# KiCad board mtk64_R_rev2.kicad_pcb (continued)
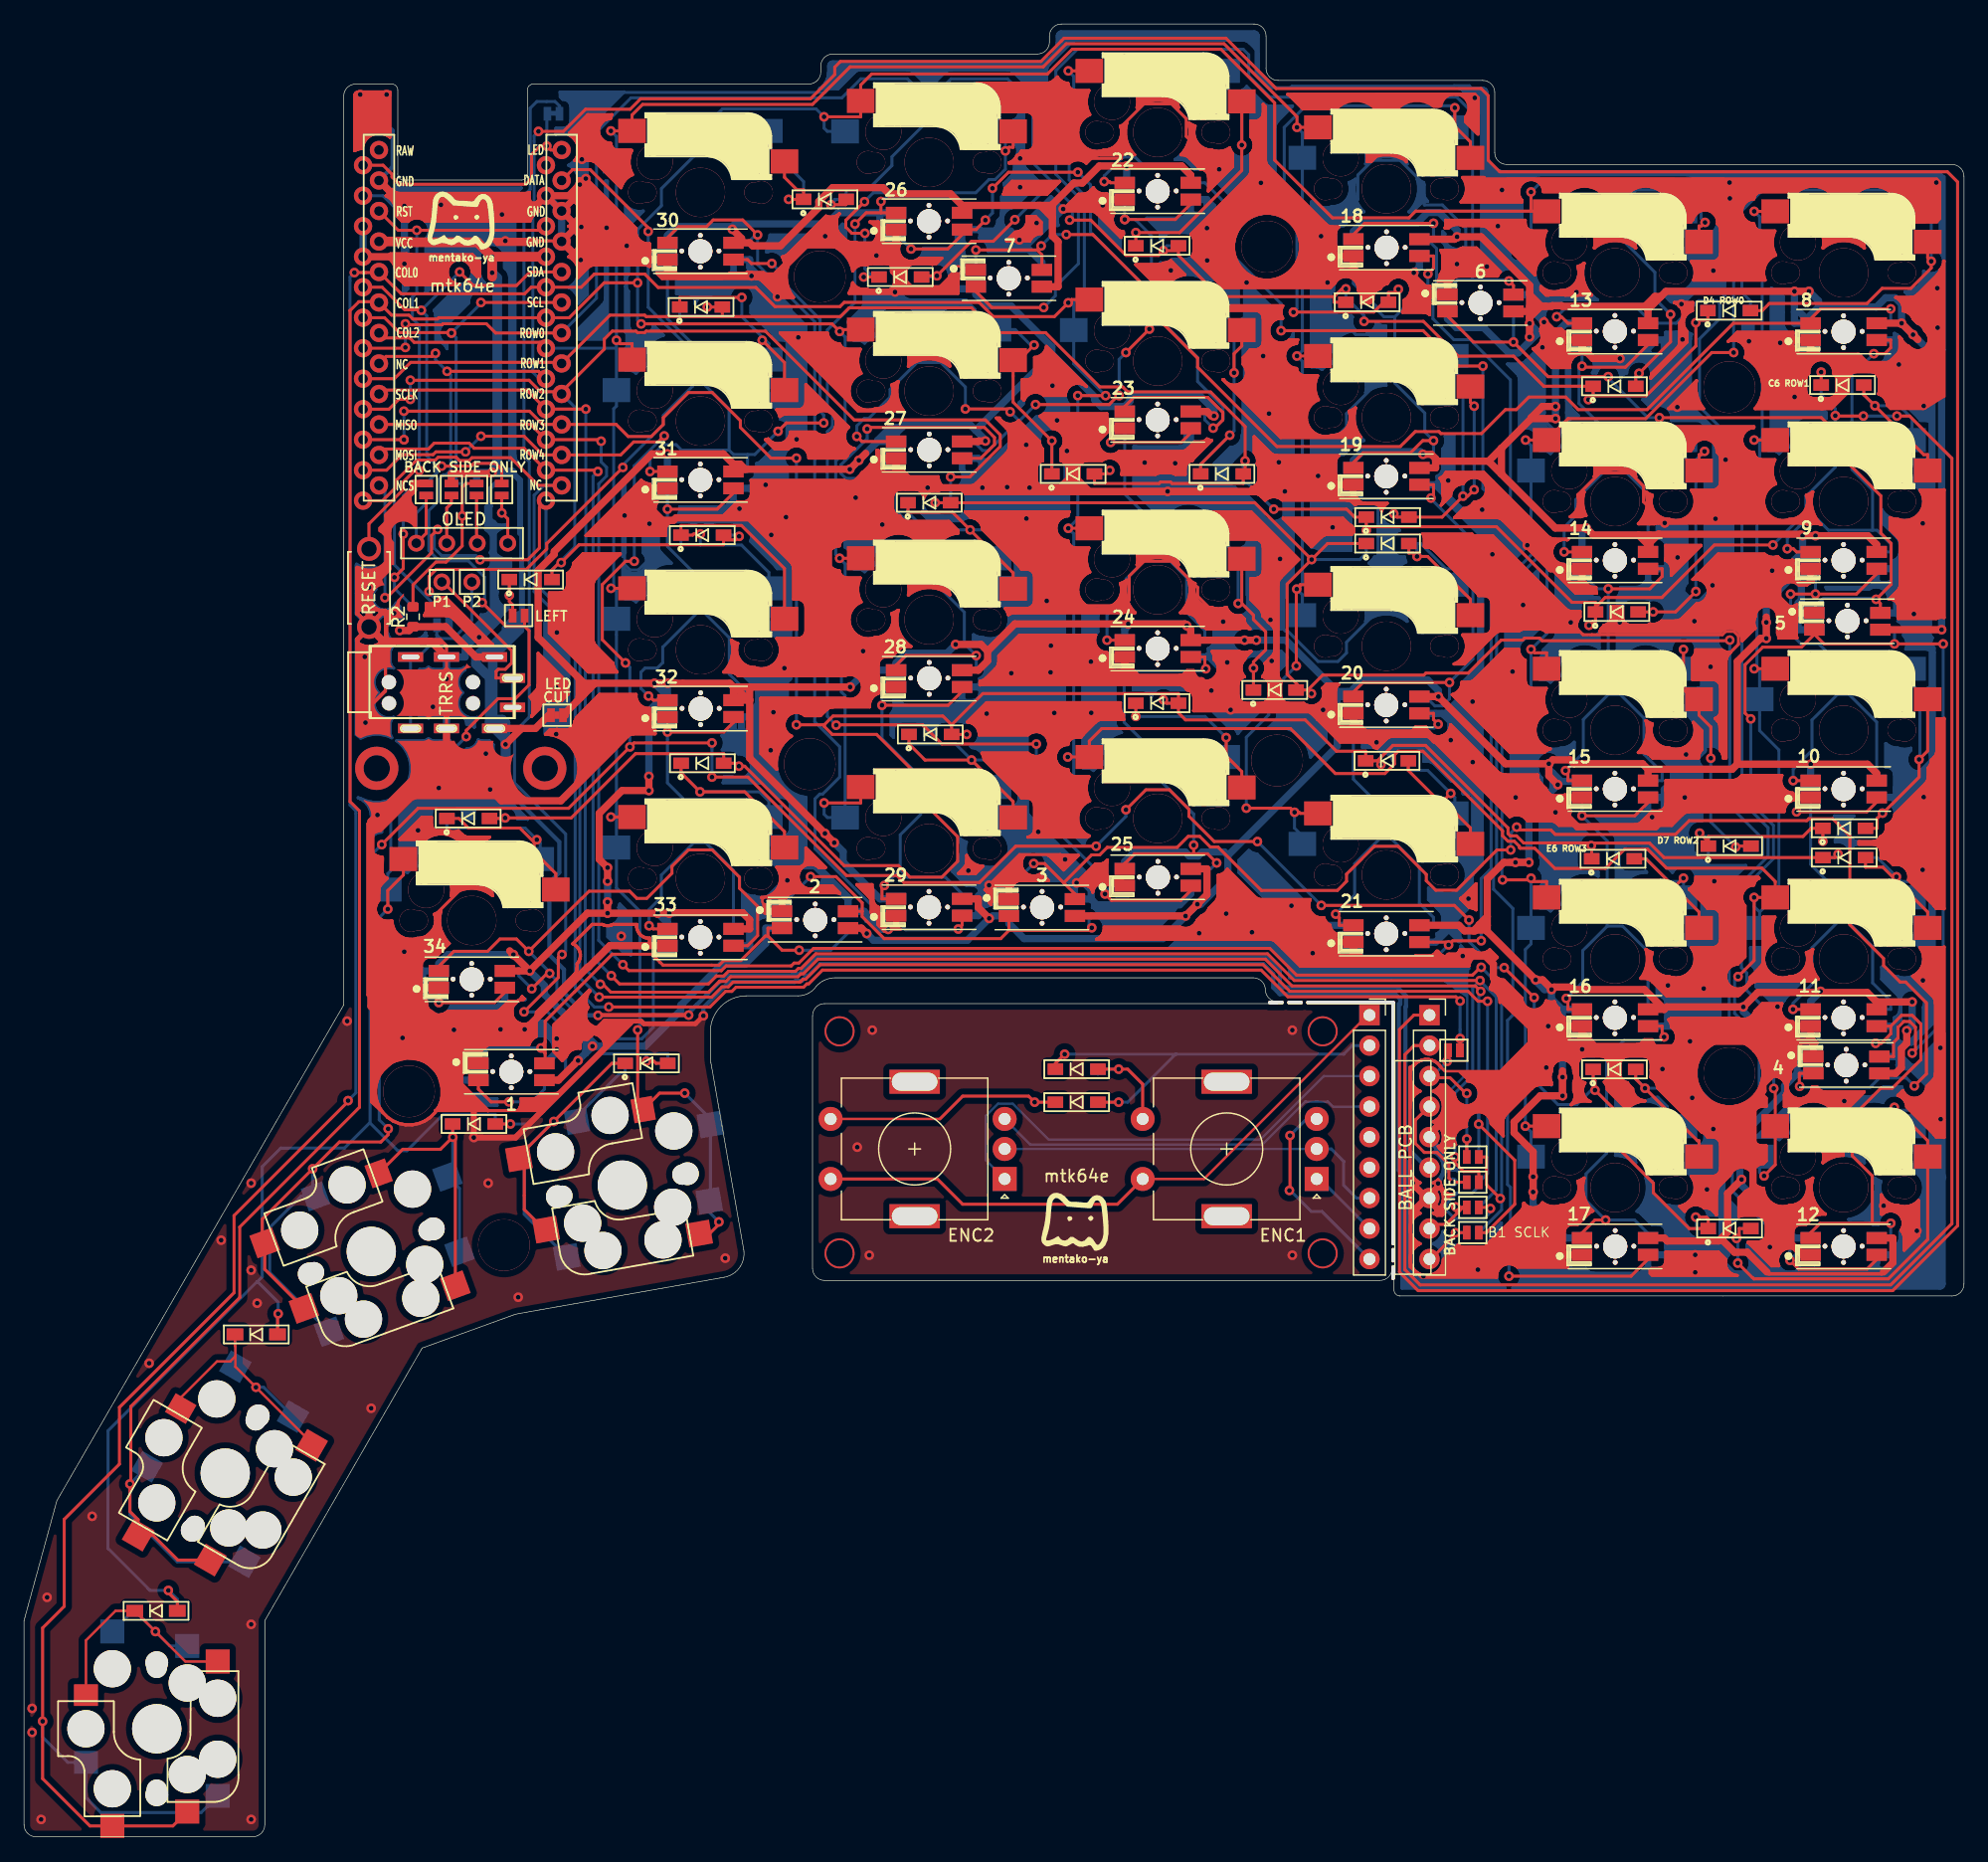
[diagram p0: board, top side]
## Routing (per net, layer and track width the routed paths; a pad name or vN(x,y) marks a point on that pad's centre or on a via; arc(x,y) is an arc through that point) (continued)
; 72.31,98.31 71.81,98.31 ; 72.31,98.31 71.81,98.31 ; 125.92,68.87 126.12,68.91 ; 125.92,68.87 126.12,68.91 ; 126.12,68.91 126.31,68.99 ; 126.12,68.91 126.31,68.99 ; 147.21,63.88 147.16,63.74 ; 147.21,63.88 147.16,63.74 ; 147.21,63.88 147.28,64.01 ; 147.21,63.88 147.28,64.01 ; 147.16,63.74 147.15,63.59 ; 147.16,63.74 147.15,63.59 ; 82.08,139.42 82.08,139.44 ; 82.08,139.42 82.08,139.44 ; 144.23,101.61 144.17,101.46 ; 144.23,101.61 144.23,101.65 ; 144.23,101.61 144.17,101.46 ; 144.23,101.61 144.23,101.65 ; 144.17,101.46 144.13,101.26 ; 144.17,101.46 144.13,101.26 ; 140.1,77.57 140.07,77.59 ; 140.1,77.57 140.15,77.51 ; 140.1,77.57 140.15,77.51 ; 140.1,77.57 140.07,77.59 ; 140.07,77.59 138.74,78.93 ; 140.07,77.59 138.74,78.93 ; 85.35,81.75 87.84,81.75 ; 85.35,81.75 85.44,81.7 ; 85.35,81.75 85.44,81.7 ; 85.35,81.75 87.84,81.75 ; 87.84,81.75 86.62,80.54 ; 87.84,81.75 86.62,80.54 ; 122,60.02 121.86,60.17 ; 122,60.02 121.86,60.17 ; 122,60.02 122.12,59.85 ; 122,60.02 122.12,59.85 ; 121.86,60.17 121.69,60.28 ; 121.86,60.17 121.69,60.28 ; 138.06,134.39 137.96,134.31 ; 138.06,134.39 137.96,134.31 ; 138.06,134.39 138.17,134.45 ; 138.06,134.39 138.17,134.45 ; 137.96,134.31 137.93,134.27 ; 137.96,134.31 137.93,134.27 ; 69.86,130.96 69.66,130.92 ; 69.86,130.96 69.66,130.92 ; 69.86,130.96 70.06,130.96 ; 69.86,130.96 70.06,130.96 ; 69.66,130.92 69.47,130.84 ; 69.66,130.92 69.47,130.84 ; 140.32,52.37 140.21,52.38 ; 140.32,52.37 140.21,52.38 ; 140.32,52.37 140.46,52.32 ; 140.32,52.37 140.46,52.32 ; 140.21,52.38 140.17,52.38 ; 140.21,52.38 140.17,52.38 ; 79.65,96.25 79.69,96.25 ; 79.65,96.25 79.69,96.25 ; 102.85,127.1 102.73,127.13 ; 102.85,127.1 102.73,127.13 ; 68.21,104.97 68.32,104.91 ; 68.21,104.97 68.11,105.04 ; 68.21,104.97 68.32,104.91 ; 68.21,104.97 68.11,105.04 ; 86.47,90.86 86.3,90.75 ; 86.47,90.86 86.3,90.75 ; 86.47,90.86 86.66,90.94 ; 86.47,90.86 86.66,90.94 ; 86.3,90.75 86.16,90.61 ; 86.3,90.75 86.16,90.61 ; 72.53,76.85 72.53,76.87 ; 72.53,76.85 72.53,76.87 ; 72.53,76.85 71.33,76.85 ; 72.53,76.85 71.33,76.85 ; 72.53,76.87 72.79,76.87 ; 72.53,76.87 72.79,76.87 ; 156.07,108.3 155.47,108.91 ; 156.07,108.3 155.47,108.91 ; 156.07,108.3 156.1,108.28 ; 156.07,108.3 156.1,108.28 ; 155.47,108.91 155.47,109.88 ; 155.47,108.91 155.47,109.88 ; 110.89,93.45 110.89,92.6 ; 110.89,93.45 110.91,93.45 ; 110.89,93.45 110.91,93.45 ; 110.89,93.45 110.89,92.6 ; 110.89,92.6 111.05,92.44 ; 110.89,92.6 111.05,92.44 ; 106.2,106.39 104.73,104.92 ; 106.2,106.39 104.73,104.92 ; 104.73,104.92 104.7,104.89 ; 104.73,104.92 104.7,104.89 ; 96.55,102.16 96.84,102.6 ; 96.55,102.16 96.35,101.96 ; 96.55,102.16 96.35,101.96 ; 96.55,102.16 96.84,102.6 ; 96.84,102.6 97.04,103.09 ; 96.84,102.6 97.04,103.09 ; 117.48,107.19 117.51,107.16 ; 117.48,107.19 117.51,107.16 ; 117.11,128.96 117.11,128.75 ; 117.11,128.96 117.12,129.09 ; 117.11,128.96 117.11,128.75 ; 117.11,128.96 117.12,129.09 ; 103.44,144.11 103.44,139.71 ; 103.44,144.11 103.44,139.71 ; 126.81,100.39 126.69,100.48 ; 126.81,100.39 129.5,100.39 ; 126.81,100.39 129.5,100.39 ; 126.81,100.39 126.69,100.48 ; 126.69,100.48 126.56,100.55 ; 126.69,100.48 126.56,100.55 ; 65.02,93.43 64.85,93.54 ; 65.02,93.43 64.85,93.54 ; 65.02,93.43 65.06,93.39 ; 65.02,93.43 65.06,93.39 ; 64.85,93.54 64.66,93.62 ; 64.85,93.54 64.66,93.62 ; 110.91,74.4 110.89,74.4 ; 110.91,74.4 110.91,74.65 ; 110.91,74.4 110.91,74.65 ; 110.91,74.4 110.89,74.4 ; 110.89,74.4 110.89,73.55 ; 110.89,74.4 110.89,73.55 ; 130.73,104.08 130.76,104.08 ; 130.73,104.08 130.62,104.09 ; 130.73,104.08 130.76,104.08 ; 130.73,104.08 130.62,104.09 ; 130.76,104.08 130.79,104.08 ; 130.76,104.08 130.79,104.08 ; 104.61,96.41 104.64,96.37 ; 104.61,96.41 104.54,96.54 ; 104.61,96.41 104.54,96.54 ; 104.61,96.41 104.64,96.37 ; 104.64,96.37 104.7,96.29 ; 104.64,96.37 104.7,96.29 ; 130.09,65.04 131.39,65.04 ; 130.09,65.04 131.39,65.04 ; 154.08,82.89 154.2,82.9 ; 154.08,82.89 154.2,82.9 ; 139.02,134.72 138.93,134.61 ; 139.02,134.72 138.93,134.61 ; 138.93,134.61 138.87,134.49 ; 138.93,134.61 138.87,134.49 ; 88.8,105.35 88.63,105.28 ; 88.8,105.35 88.76,105.4 ; 88.8,105.35 88.76,105.4 ; 88.8,105.35 88.63,105.28 ; 88.63,105.28 88.37,105.11 ; 88.63,105.28 88.37,105.11 ; 58.3,97.02 58.45,97.16 ; 58.3,97.02 58.75,97.02 ; 58.3,97.02 58.75,97.02 ; 58.3,97.02 58.45,97.16 ; 101.44,97.65 101.4,97.45 ; 101.44,97.65 101.4,97.45 ; 101.44,97.65 101.52,97.84 ; 101.44,97.65 101.52,97.84 ; 101.4,97.45 101.4,97.25 ; 101.4,97.45 101.4,97.25 ; 115.61,52.61 115.68,52.5 ; 115.61,52.61 115.52,52.87 ; 115.61,52.61 115.68,52.5 ; 115.61,52.61 115.52,52.87 ; 115.68,52.5 115.91,52.43 ; 115.68,52.5 115.91,52.43 ; 116.32,51.94 116.21,51.9 ; 116.32,51.94 116.21,51.9 ; 116.21,51.9 115.99,51.75 ; 116.21,51.9 115.99,51.75 ; 121.31,111.29 121.48,111.4 ; 121.31,111.29 121.48,111.4 ; 147.56,50.83 147.48,50.73 ; 147.56,50.83 147.48,50.73 ; 33.59,73.25 33.47,73.21 ; 33.59,73.25 33.47,73.21 ; 33.59,73.25 33.71,73.26 ; 33.59,73.25 33.71,73.26 ; 34.56,83.54 34.15,83.46 ; 34.56,83.54 34.15,83.46 ; 90.91,102.72 91.11,102.93 ; 90.91,102.72 90.66,102.56 ; 90.91,102.72 90.66,102.56 ; 90.91,102.72 91.11,102.93 ; 91.11,102.93 91.28,103.17 ; 91.11,102.93 91.28,103.17 ; 121.93,134.06 121.76,134.14 ; 121.93,134.06 121.76,134.14 ; 121.76,134.14 121.59,134.2 ; 121.76,134.14 121.59,134.2 ; 51.03,94.72 51.11,94.53 ; 51.03,94.72 50.99,94.92 ; 51.03,94.72 50.99,94.92 ; 51.03,94.72 51.11,94.53 ; 51.11,94.53 51.22,94.36 ; 51.11,94.53 51.22,94.36 ; 122.34,71.43 122.31,71.63 ; 122.34,71.43 122.31,71.63 ; 122.34,71.43 122.34,71.22 ; 122.34,71.43 122.34,71.22 ; 122.31,71.63 122.23,71.8 ; 122.31,71.63 122.23,71.8 ; 130.82,133.37 131.03,133.46 ; 130.82,133.37 130.89,133.03 ; 130.82,133.37 130.89,133.03 ; 130.82,133.37 131.03,133.46 ; 131.03,133.46 131.38,133.7 ; 131.03,133.46 131.38,133.7 ; 34.29,76.18 34.29,76.47 ; 34.29,76.18 34.29,76.47 ; 34.29,76.18 34.24,75.89 ; 34.29,76.18 34.24,75.89 ; 34.29,76.47 34.24,76.76 ; 34.29,76.47 34.24,76.76 ; 153.94,122.04 152.64,122.04 ; 153.94,122.04 154.06,122.03 ; 153.94,122.04 152.64,122.04 ; 153.94,122.04 154.06,122.03 ; 158.64,88.12 158.65,88.24 ; 158.64,88.12 158.61,88 ; 158.64,88.12 158.61,88 ; 158.64,88.12 158.65,88.24 ; 158.65,88.24 158.66,88.27 ; 158.65,88.24 158.66,88.27 ; 106.04,133.77 105.73,134.23 ; 106.04,133.77 106.24,133.26 ; 106.04,133.77 106.24,133.26 ; 106.04,133.77 105.73,134.23 ; 105.73,134.23 105.34,134.61 ; 105.73,134.23 105.34,134.61 ; 69.58,121.83 69.32,121.66 ; 69.58,121.83 69.75,121.9 ; 69.58,121.83 69.75,121.9 ; 69.58,121.83 69.32,121.66 ; 154.52,120.21 154.52,120.19 ; 154.52,120.21 154.52,120.19 ; 51.54,94.11 51.73,94.03 ; 51.54,94.11 51.73,94.03 ; 51.54,94.11 51.37,94.22 ; 51.54,94.11 51.37,94.22 ; 51.73,94.03 51.93,93.99 ; 51.73,94.03 51.93,93.99 ; 91.53,93.5 91.6,93.44 ; 91.53,93.5 91.6,93.44 ; 91.6,93.44 91.6,93.42 ; 91.6,93.44 91.6,93.42 ; 132.97,135.15 133.05,134.73 ; 132.97,135.15 132.97,135.57 ; 132.97,135.15 133.05,134.73 ; 132.97,135.15 132.97,135.57 ; 133.05,134.73 133.21,134.34 ; 133.05,134.73 133.21,134.34 ; 89.74,98.76 89.93,98.68 ; 89.74,98.76 89.57,98.87 ; 89.74,98.76 89.57,98.87 ; 89.74,98.76 89.93,98.68 ; 89.93,98.68 90.13,98.64 ; 89.93,98.68 90.13,98.64 ; 49.08,97.68 49.12,97.48 ; 49.08,97.68 49.12,97.48 ; 49.12,97.48 49.2,97.29 ; 49.12,97.48 49.2,97.29 ; 118.07,59 117.83,59.07 ; 118.07,59 117.83,59.07 ; 118.07,59 118.13,58.89 ; 118.07,59 118.13,58.89 ; 117.83,59.07 117.05,58.29 ; 117.83,59.07 117.05,58.29 ; 147.02,86.18 146.88,86.03 ; 147.02,86.18 146.88,86.03 ; 93.81,109.97 93.58,110.32 ; 93.81,109.97 93.97,109.58 ; 93.81,109.97 93.58,110.32 ; 93.81,109.97 93.97,109.58 ; 93.58,110.32 93.53,110.37 ; 93.58,110.32 93.53,110.37 ; 111.44,92.08 111.57,92.04 ; 111.44,92.08 111.57,92.04 ; 111.57,92.04 111.68,92.03 ; 111.57,92.04 111.68,92.03 ; 88.15,140.97 88.37,140.74 ; 88.15,140.97 88.37,140.74 ; 64.73,80.64 64.62,80.47 ; 64.73,80.64 64.62,80.47 ; 109.67,92.49 109.79,92.45 ; 109.67,92.49 109.56,92.55 ; 109.67,92.49 109.56,92.55 ; 109.67,92.49 109.79,92.45 ; 109.79,92.45 109.91,92.44 ; 109.79,92.45 109.91,92.44 ; 129.98,53.29 130.18,52.8 ; 129.98,53.29 129.88,53.81 ; 129.98,53.29 130.18,52.8 ; 129.98,53.29 129.88,53.81 ; 130.18,52.8 130.47,52.36 ; 130.18,52.8 130.47,52.36 ; 111.57,130.14 111.44,130.18 ; 111.57,130.14 111.44,130.18 ; 120.88,77.28 120.7,77.36 ; 120.88,77.28 120.7,77.36 ; 120.88,77.28 120.98,77.22 ; 120.88,77.28 120.98,77.22 ; 120.7,77.36 120.5,77.4 ; 120.7,77.36 120.5,77.4 ; 51.86,112.73 52.06,112.69 ; 51.86,112.73 51.67,112.81 ; 51.86,112.73 51.67,112.81 ; 51.86,112.73 52.06,112.69 ; 52.06,112.69 52.12,112.69 ; 52.06,112.69 52.12,112.69 ; 91.84,79.35 91.86,79.35 ; 91.84,79.35 91.86,79.35 ; 157.18,128.22 157.21,128.22 ; 157.18,128.22 157.21,128.22 ; 157.18,128.22 155.95,128.22 ; 157.18,128.22 155.95,128.22 ; 157.21,128.22 157.25,128.22 ; 157.21,128.22 157.25,128.22 ; 131.57,100.8 131.63,100.92 ; 131.57,100.8 131.47,100.69 ; 131.57,100.8 131.47,100.69 ; 131.57,100.8 131.63,100.92 ; 131.63,100.92 131.71,100.92 ; 131.63,100.92 131.71,100.92 ; 95.64,129.66 95.34,129.37 ; 95.64,129.66 95.99,129.9 ; 95.64,129.66 95.99,129.9 ; 95.64,129.66 95.34,129.37 ; 95.34,129.37 95.11,129.02 ; 95.34,129.37 95.11,129.02 ; 118.48,91.87 118.63,92.01 ; 118.48,91.87 118.31,91.76 ; 118.48,91.87 118.63,92.01 ; 118.48,91.87 118.31,91.76 ; 118.63,92.01 118.74,92.18 ; 118.63,92.01 118.74,92.18 ; 83.48,119.96 83.36,119.79 ; 83.48,119.96 83.62,120.11 ; 83.48,119.96 83.36,119.79 ; 83.48,119.96 83.62,120.11 ; 83.36,119.79 83.31,119.67 ; 83.36,119.79 83.31,119.67 ; 70.36,132.57 70.55,132.65 ; 70.36,132.57 70.16,132.53 ; 70.36,132.57 70.16,132.53 ; 70.36,132.57 70.55,132.65 ; 70.55,132.65 70.72,132.77 ; 70.55,132.65 70.72,132.77 ; 118.07,110.92 118.14,111.03 ; 118.07,110.92 118.86,111.71 ; 118.07,110.92 118.14,111.03 ; 118.07,110.92 118.86,111.71 ; 118.14,111.03 118.22,111.22 ; 118.14,111.03 118.22,111.22 ; 37.99,64.28 37.73,64.28 ; 37.99,64.28 37.99,64.3 ; 37.99,64.28 37.73,64.28 ; 37.99,64.28 37.99,64.3 ; 37.73,64.28 37.73,64.3 37.73,64.28 ; 130.11,123.5 129.91,123.54 ; 130.11,123.5 130.16,123.48 ; 130.11,123.5 130.16,123.48 ; 130.11,123.5 129.91,123.54 ; 129.91,123.54 129.71,123.54 ; 129.91,123.54 129.71,123.54 ; 109.28,73.9 109.32,73.78 ; 109.28,73.9 109.32,73.78 ; 121.05,103.62 121.02,103.64 ; 121.05,103.62 121.02,103.64 ; 121.02,103.64 117.51,107.16 ; 121.02,103.64 117.51,107.16 ; 155.43,52.14 155.23,52.1 ; 155.43,52.14 155.23,52.1 ; 155.43,52.14 155.64,52.14 ; 155.43,52.14 155.64,52.14 ; 155.23,52.1 155.05,52.02 ; 155.23,52.1 155.05,52.02 ; 143.49,117.15 143.35,117.01 ; 143.49,117.15 143.66,117.26 ; 143.49,117.15 143.35,117.01 ; 143.49,117.15 143.66,117.26 ; 143.35,117.01 143.23,116.84 ; 143.35,117.01 143.23,116.84 ; 142.3,46.87 142.49,46.79 ; 142.3,46.87 142.13,46.98 ; 142.3,46.87 142.13,46.98 ; 142.3,46.87 142.49,46.79 ; 142.49,46.79 142.69,46.75 ; 142.49,46.79 142.69,46.75 ; 139.41,64.41 139.3,63.87 ; 139.41,64.41 139.62,64.92 ; 139.41,64.41 139.62,64.92 ; 139.41,64.41 139.3,63.87 ; 139.3,63.87 139.3,63.33 ; 139.3,63.87 135.57,63.87 ; 139.3,63.87 135.57,63.87 ; 139.3,63.87 139.3,63.33 ; 139.3,63.87 135.57,63.87 ; 139.3,63.87 135.57,63.87 ; 39.02,78.41 38.58,78.7 ; 39.02,78.41 39.04,78.4 ; 39.02,78.41 39.04,78.4 ; 39.02,78.41 38.58,78.7 ; 38.58,78.7 38.09,78.91 ; 38.58,78.7 38.09,78.91 ; 64.5,79.87 64.54,79.67 ; 64.5,79.87 64.54,79.67 ; 34.64,103.2 34.68,103.19 ; 34.64,103.2 34.55,103.07 ; 34.64,103.2 34.55,103.07 ; 34.64,103.2 34.68,103.19 ; 34.68,103.19 34.94,103.19 ; 34.68,103.19 34.94,103.19 ; 118.86,111.71 118.86,111.77 ; 118.86,111.71 118.86,111.77 ; 138.1,109.7 138.39,109.82 ; 138.1,109.7 138.39,109.82 ; 138.1,109.7 137.8,109.64 ; 138.1,109.7 137.8,109.64 ; 138.39,109.82 138.65,109.99 ; 138.39,109.82 138.65,109.99 ; 115.64,61.49 115.54,61.23 ; 115.64,61.49 115.54,61.23 ; 119.87,138.22 121.66,138.22 119.87,138.22 ; 71.36,113.87 71.46,113.8 ; 71.36,113.87 71.28,113.97 ; 71.36,113.87 71.46,113.8 ; 71.36,113.87 71.28,113.97 ; 71.46,113.8 71.57,113.74 ; 71.46,113.8 71.57,113.74 ; 74.01,131.22 74.21,131.26 ; 74.01,131.22 74.21,131.26 ; 137.82,124.1 137.89,124.23 ; 137.82,124.1 137.72,123.98 ; 137.82,124.1 137.89,124.23 ; 137.82,124.1 137.72,123.98 ; 88.62,83.27 83.63,83.27 ; 88.62,83.27 83.63,83.27 ; 108.65,108.49 110.62,108.49 ; 108.65,108.49 110.62,108.49 ; 137.12,67.95 137.03,68.06 ; 137.12,67.95 137.03,68.06 ; 137.03,68.06 137.18,68.14 ; 137.03,68.06 137.18,68.14 ; 159.27,63.55 159.26,63.59 ; 159.27,63.55 159.26,63.59 ; 51.51,132.81 51.7,132.73 ; 51.51,132.81 51.34,132.92 ; 51.51,132.81 51.7,132.73 ; 51.51,132.81 51.34,132.92 ; 51.7,132.73 51.9,132.69 ; 51.7,132.73 51.9,132.69 ; 126.48,69.1 126.63,69.24 ; 126.48,69.1 126.31,68.99 ; 126.48,69.1 126.63,69.24 ; 126.48,69.1 126.31,68.99 ; 126.63,69.24 126.74,69.41 ; 126.63,69.24 126.74,69.41 ; 101.39,98.68 101.59,98.64 ; 101.39,98.68 101.59,98.64 ; 108.29,76.57 108.29,76.55 ; 108.29,76.57 108.19,76.55 ; 108.29,76.57 108.29,76.55 ; 108.29,76.57 108.19,76.55 ; 108.29,76.55 108.37,76.37 ; 108.29,76.55 108.37,76.37 ; 111.13,92.34 111.07,92.44 ; 111.13,92.34 111.07,92.44 ; 126.7,133.44 126.62,133.03 ; 126.7,133.44 126.62,133.03 ; 126.7,133.44 126.83,133.76 ; 126.7,133.44 126.83,133.76 ; 126.62,133.03 126.62,132.61 ; 126.62,133.03 126.62,132.61 ; 155.05,52.02 154.88,51.91 ; 155.05,52.02 154.88,51.91 ; 154.88,51.91 154.83,51.86 ; 154.88,51.91 154.83,51.86 ; 110.73,108.65 110.65,108.56 ; 110.73,108.65 110.65,108.56 ; 149.87,133.37 150.08,133.46 ; 149.87,133.37 150.08,133.46 ; 149.87,133.37 149.94,133.03 ; 149.87,133.37 149.94,133.03 ; 150.08,133.46 150.43,133.7 ; 150.08,133.46 150.43,133.7 ; 85,91.83 84.83,91.94 ; 85,91.83 84.83,91.94 ; 85,91.83 85.15,91.69 ; 85,91.83 85.15,91.69 ; 84.83,91.94 84.64,92.02 ; 84.83,91.94 84.64,92.02 ; 125.07,97.99 125.07,96.3 ; 125.07,97.99 125.07,96.3 ; 27.55,144.97 27.56,145.07 ; 27.55,144.97 27.55,140.45 ; 27.55,144.97 27.56,145.07 ; 27.55,144.97 27.55,140.45 ; 27.56,145.07 27.58,145.13 ; 27.56,145.07 27.58,145.13 ; 109.46,92.62 109.56,92.55 ; 109.46,92.62 109.38,92.72 ; 109.46,92.62 109.56,92.55 ; 109.46,92.62 109.38,92.72 ; 87.37,91.53 87.26,91.48 ; 87.37,91.53 87.26,91.48 ; 87.37,91.53 87.49,91.57 ; 87.37,91.53 87.49,91.57 ; 87.26,91.48 87.16,91.4 ; 87.26,91.48 87.16,91.4 ; 126.09,52.45 126.26,52.54 ; 126.09,52.45 126.26,52.54 ; 144.94,73.28 144.94,72.97 ; 144.94,73.28 144.94,72.97 ; 89.15,111.97 89.19,111.96 ; 89.15,111.97 89.04,111.98 ; 89.15,111.97 89.04,111.98 ; 89.15,111.97 89.19,111.96 ; 70.91,114.71 71,114.88 ; 70.91,114.71 71,114.88 ; 70.91,114.71 70.82,114.61 ; 70.91,114.71 70.82,114.61 ; 71,114.88 71.05,115.05 ; 71,114.88 71.05,115.05 ; 46.03,141.17 45.88,141.4 ; 46.03,141.17 45.88,141.4 ; 46.03,141.17 46.14,140.91 ; 46.03,141.17 46.14,140.91 ; 45.88,141.4 45.68,141.59 ; 45.88,141.4 45.68,141.59 ; 144.78,72.57 144.85,72.7 ; 144.78,72.57 144.85,72.7 ; 144.78,72.57 144.69,72.45 ; 144.78,72.57 144.69,72.45 ; 144.85,72.7 144.9,72.84 ; 144.85,72.7 144.9,72.84 ; 136.61,47.52 136.69,47.62 ; 136.61,47.52 136.51,47.44 ; 136.61,47.52 136.51,47.44 ; 136.61,47.52 136.69,47.62 ; 136.69,47.62 136.75,47.73 ; 136.69,47.62 136.75,47.73 ; 116.05,129.69 116.16,129.52 ; 116.05,129.69 115.97,129.88 ; 116.05,129.69 115.97,129.88 ; 116.05,129.69 116.16,129.52 ; 116.16,129.52 116.31,129.38 ; 116.16,129.52 116.31,129.38 ; 96.45,140.12 96.41,140.11 ; 96.45,140.12 96.41,140.11 ; 42.88,68.48 42.83,68.41 ; 42.88,68.48 42.91,68.5 ; 42.88,68.48 42.83,68.41 ; 42.88,68.48 42.91,68.5 ; 42.83,68.41 42.79,68.36 ; 42.83,68.41 42.79,68.36 ; 138.39,52.67 138.65,52.84 ; 138.39,52.67 138.65,52.84 ; 138.65,52.84 138.87,53.06 ; 138.65,52.84 138.87,53.06 ; 139.02,96.39 139.02,98.2 ; 139.02,96.39 139.02,98.2 ; 139.02,98.2 139.06,98.24 ; 139.02,98.2 139.06,98.24 ; 126.7,94.09 126.86,93.7 ; 126.7,94.09 126.62,94.51 ; 126.7,94.09 126.62,94.51 ; 126.7,94.09 126.86,93.7 ; 126.86,93.7 126.9,93.65 ; 126.86,93.7 126.9,93.65 ; 73.68,129 73.78,128.92 ; 73.68,129 73.78,128.92 ; 34.54,60.77 34.75,61.28 ; 34.54,60.77 34.24,60.31 ; 34.54,60.77 34.24,60.31 ; 34.54,60.77 34.75,61.28 ; 34.75,61.28 34.86,61.82 ; 34.75,61.28 34.86,61.82 ; 141.3,76.95 141.24,77.06 ; 141.3,76.95 141.24,77.06 ; 141.24,77.06 141.16,77.16 ; 141.24,77.06 141.16,77.16 ; 122.93,100.43 122.78,100.39 ; 122.93,100.43 123.04,100.44 ; 122.93,100.43 122.78,100.39 ; 122.93,100.43 123.04,100.44 ; 122.78,100.39 122.65,100.32 ; 122.78,100.39 122.65,100.32 ; 145.3,131.29 145.13,131.03 ; 145.3,131.29 145.52,131.51 ; 145.3,131.29 145.52,131.51 ; 145.3,131.29 145.13,131.03 ; 145.13,131.03 145.01,130.74 ; 145.13,131.03 145.01,130.74 ; 129.98,131.07 129.98,131.06 ; 129.98,131.07 129.76,130.92 ; 129.98,131.07 129.76,130.92 ; 129.98,131.07 129.98,131.06 ; 127.25,62.83 127.25,62.66 ; 127.25,62.83 127.25,62.66 ; 127.25,62.83 127.19,62.98 ; 127.25,62.83 127.19,62.98 ; 127.25,62.66 126.37,62.66 ; 127.25,62.66 126.37,62.66 ; 76.19,103.96 75.67,104.06 ; 76.19,103.96 76.68,103.76 ; 76.19,103.96 75.67,104.06 ; 76.19,103.96 76.68,103.76 ; 75.67,104.06 75.15,104.06 ; 75.67,104.06 75.15,104.06 ; 129.96,86.7 129.96,86.45 ; 129.96,86.7 129.96,86.45 ; 118.25,52.57 118.25,52.37 ; 118.25,52.57 118.25,52.37 ; 118.25,52.37 118.29,52.17 ; 118.25,52.37 118.29,52.17 ; 128.49,52.65 128.76,52.76 ; 128.49,52.65 128.21,52.59 ; 128.49,52.65 128.21,52.59 ; 128.49,52.65 128.76,52.76 ; 128.76,52.76 129.01,52.92 ; 128.76,52.76 129.01,52.92 ; 68.39,116.95 68.35,116.75 ; 68.39,116.95 68.35,116.75 ; 68.35,116.75 68.35,116.55 ; 68.35,116.75 68.35,116.55 ; 119.23,112.47 119.09,112.33 ; 119.23,112.47 119.4,112.58 ; 119.23,112.47 119.4,112.58 ; 119.23,112.47 119.09,112.33 ; 119.09,112.33 118.97,112.16 ; 119.09,112.33 118.97,112.16 ; 87.42,135.66 87.22,135.7 ; 87.42,135.66 87.61,135.58 ; 87.42,135.66 87.61,135.58 ; 87.42,135.66 87.22,135.7 ; 143.35,136.06 143.24,135.89 ; 143.35,136.06 143.24,135.89 ; 143.35,136.06 143.5,136.2 ; 143.35,136.06 143.5,136.2 ; 143.24,135.89 143.16,135.7 ; 143.24,135.89 143.16,135.7 ; 115.34,130.13 115.45,130.14 ; 115.34,130.13 115.45,130.14 ; 115.34,130.13 115.31,130.13 ; 115.34,130.13 115.31,130.13 ; 115.45,130.14 115.58,130.18 ; 115.45,130.14 115.58,130.18 ; 52.13,74.85 52.12,74.73 ; 52.13,74.85 52.13,74.85 ; 52.13,74.85 52.13,74.85 ; 52.13,74.85 52.12,74.73 ; 52.12,74.73 52.12,74.51 ; 52.12,74.73 52.12,74.51 ; 138.92,131.22 140.71,131.22 ; 138.92,131.22 139.04,131.03 ; 138.92,131.22 140.71,131.22 ; 138.92,131.22 139.04,131.03 ; 140.71,131.22 140.83,131.23 ; 140.71,131.22 140.83,131.23 ; 42.38,61.48 41.41,61.48 ; 42.38,61.48 41.41,61.48 ; 42.38,61.48 42.41,61.48 ; 42.38,61.48 42.41,61.48 ; 41.41,61.48 41.45,61.32 ; 41.41,61.48 41.45,61.32 ; 106.03,124.38 106.03,124.47 ; 106.03,124.38 106.03,124.47 ; 140.71,55.02 140.83,55.03 ; 140.71,55.02 138.92,55.02 ; 140.71,55.02 140.83,55.03 ; 140.71,55.02 138.92,55.02 ; 140.83,55.03 140.95,55.07 ; 140.83,55.03 140.95,55.07 ; 99.5,97.19 99.46,96.99 ; 99.5,97.19 99.46,96.99 ; 143.86,49.32 143.83,49.35 ; 143.86,49.32 143.83,49.35 ; 143.86,49.32 145.61,47.57 ; 143.86,49.32 145.61,47.57 ; 143.83,49.35 143.68,49.47 ; 143.83,49.35 143.68,49.47 ; 70.86,108.13 68.56,108.13 ; 70.86,108.13 70.98,108.12 ; 70.86,108.13 68.56,108.13 ; 70.86,108.13 70.98,108.12 ; 68.56,108.13 68.44,108.12 ; 68.56,108.13 68.44,108.12 ; 108.3,95.12 108.3,95.32 ; 108.3,95.12 108.26,94.92 ; 108.3,95.12 108.26,94.92 ; 108.3,95.12 108.3,95.32 ; 89.29,100.09 89.24,99.98 ; 89.29,100.09 82.94,100.09 ; 89.29,100.09 89.24,99.98 ; 89.29,100.09 82.94,100.09 ; 89.24,99.98 89.2,99.78 ; 89.24,99.98 89.2,99.78 ; 120.4,60.02 120.28,59.85 ; 120.4,60.02 120.54,60.17 ; 120.4,60.02 120.54,60.17 ; 120.4,60.02 120.28,59.85 ; 120.28,59.85 120.2,59.66 ; 120.28,59.85 120.2,59.66 ; 121.51,73.46 121.31,73.46 ; 121.51,73.46 121.31,73.46 ; 121.51,73.46 121.71,73.42 ; 121.51,73.46 121.71,73.42 ; 121.31,73.46 121.11,73.42 ; 121.31,73.46 121.11,73.42 ; 64.51,99.82 64.63,99.83 ; 64.51,99.82 62.72,99.82 ; 64.51,99.82 64.63,99.83 ; 64.51,99.82 62.72,99.82 ; 64.63,99.83 64.75,99.87 ; 64.63,99.83 64.75,99.87 ; 141.24,92.74 141.24,92.75 ; 141.24,92.74 141.24,92.75 ; 89.51,136.96 89.7,136.88 ; 89.51,136.96 89.7,136.88 ; 142.8,55.75 